# Allegro board BRD-05058-03_A1.brd (continued)
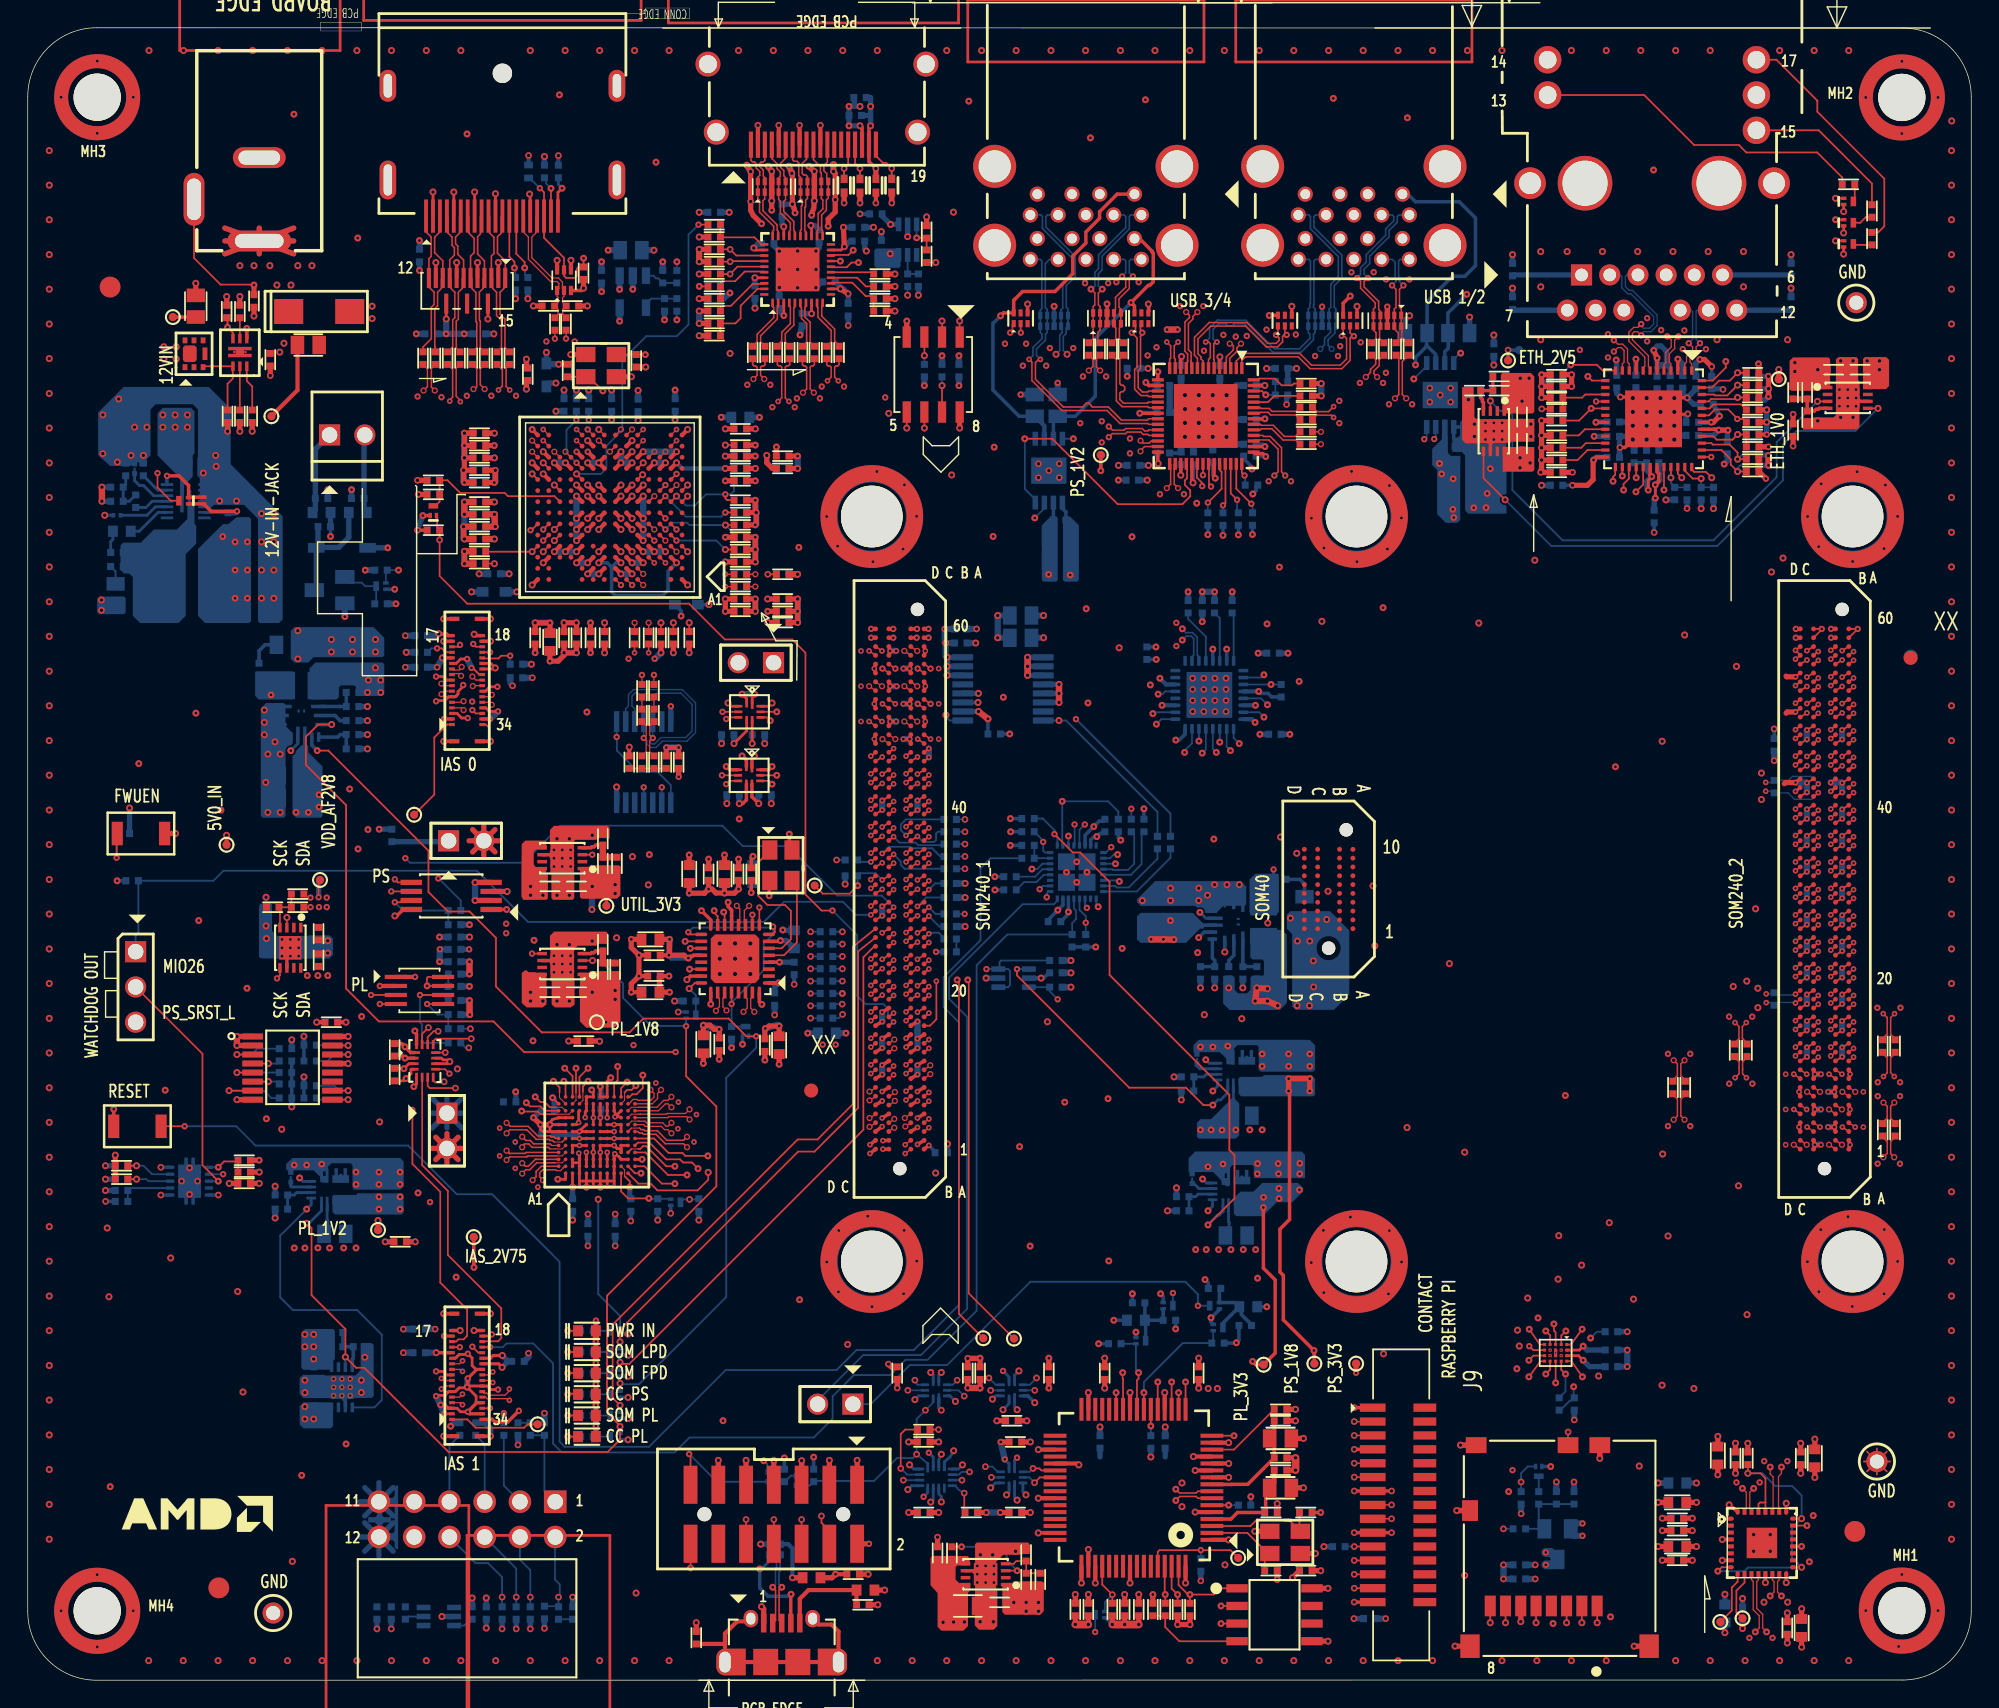
[diagram p0: board, top side]
## Routing (per net, layer and track width the routed paths; a pad name or vN(x,y) marks a point on that pad's centre or on a via; arc(x,y) is an arc through that point) (continued)
  BOTTOM w0.127: v5(85.62,66.82) 85.37,67.07 U37.4
MIO58: length 31.8
  TOP w0.127: JA1.B40 v3(63.27,62.74)
  L03_SIG w0.102: v5(89.3,70.25) 88.79,69.73 87.3,69.73 84.73,67.16 83.96,67.16 83.87,67.25 69.87,67.25 66.34,63.72 63.94,63.72 63.72,63.5 63.72,63.19 v3(63.27,62.74)
  BOTTOM w0.127: v5(89.3,70.25) 88.84,70.71 U37.29
MIO59: length 24.8
  TOP w0.127: JA1.B41 v3(63.27,63.37)
  L03_SIG w0.102: v3(63.27,63.37) 64,64.1 65.45,64.1 69.07,67.72 81.64,67.72 82.26,68.34 83.66,68.34 v5(84.37,67.63)
  BOTTOM w0.127: U37.6 v5(84.37,67.63)
MIO60: length 27.8
  TOP w0.127: JA1.B42 v3(64.09,64.58)
  L03_SIG w0.102: v3(64.09,64.58) 63.8,64.58 63.5,64.27 63.27,64.27 62.74,63.75 62.74,62.76 63.22,62.28 65.28,62.28 65.65,62.65 66.29,62.65 70.45,66.82 v5(83.34,66.82)
  BOTTOM w0.127: U37.7 83.87,67.48 83.34,66.94 v5(83.34,66.82)
MIO61: length 28
  TOP w0.127: JA1.A38 v3(64.09,61.44)
  L03_SIG w0.102: v3(64.09,61.44) 63.69,61.84 62.41,61.84 62,62.24 62,63.66 62.86,64.51 62.86,65.43 63.08,65.65 65.86,65.65 68.83,68.63 73.84,68.63 74.01,68.46 80.91,68.46 v5(81.3,68.85)
  BOTTOM w0.127: U37.9 81.66,69.21 v5(81.3,68.85)
MIO62: length 21.1
  TOP w0.127: JA1.A39 v3(64.91,62.65)
  L10_SIG w0.102: v3(64.91,62.65) 65.47,62.65 68.35,65.53 76.97,65.53 v5(81.05,69.61)
  BOTTOM w0.127: U37.10 81.15,69.71 v5(81.05,69.61)
MIO63: length 21.5
  TOP w0.127: JA1.A40 v3(64.91,63.28)
  L10_SIG w0.102: v3(64.91,63.28) 67.66,66.03 76.45,66.03 v5(81.43,71.01)
  BOTTOM w0.127: v5(81.43,71.01) 81.74,71.01 81.93,71.21 U37.13
MIO64: length 76.5
  TOP w0.127: JA1.D40 v3(60.73,62.74) ; U36.29 116.37,86.1 v5(115.85,85.58)
  L12_SIG w0.102: v3(60.73,62.74) 61.33,62.14 64.93,62.14 65.32,62.53 78.3,62.53 78.61,62.23 91.4,62.23 94.33,65.15 107.92,65.15 117.59,74.83 117.59,83.84 v5(115.85,85.58)
MIO65: length 76.4
  TOP w0.127: U36.28 v5(115.87,86.6) ; JA1.D41 v3(60.73,63.37)
  L12_SIG w0.102: v5(115.87,86.6) 115.39,86.12 115.39,84.54 116.23,83.7 116.23,75.42 107.69,66.88 105.12,66.88 105.02,66.78 105.02,66.17 104.92,66.07 104.51,66.07 104.41,66.17 104.41,66.78 104.31,66.88 103.9,66.88 103.8,66.78 103.8,66.41 103.7,66.3 103.29,66.3 103.19,66.41 103.19,66.78 103.09,66.88 95.18,66.88 91.59,63.29 78.41,63.29 78,62.89 65.93,62.89 65.07,63.74 61.1,63.74 v3(60.73,63.37)
MIO66: length 76.6
  TOP w0.127: v5(114.96,85.71) 114.96,86.15 115.34,86.53 115.34,87.34 U36.27 ; JA1.D42 v3(61.55,64.58)
  L12_SIG w0.102: v3(61.55,64.58) 61.57,64.58 62.15,63.99 65.46,63.99 65.68,63.77 91.15,63.77 95.54,68.16 106.93,68.16 112.52,73.75 112.52,73.89 111.51,74.9 111.51,75.04 111.8,75.33 111.94,75.33 112.85,74.42 112.99,74.42 113.28,74.71 113.28,74.85 112.37,75.76 112.37,75.9 112.66,76.19 112.8,76.19 113.81,75.18 113.95,75.18 114.96,76.19 v5(114.96,85.71)
MIO67: length 76.3
  TOP w0.127: JA1.C42 v3(62.37,64.55) ; U36.26 v5(114.87,86.72)
  L12_SIG w0.102: v5(114.87,86.72) 114.87,86.42 114.32,85.88 114.32,79.83 108.74,74.25 108.74,74.11 109.83,73.02 109.83,72.87 109.54,72.59 109.4,72.59 108.31,73.68 108.16,73.68 107.88,73.39 107.88,73.24 108.97,72.15 108.97,72.01 108.68,71.72 108.54,71.72 107.45,72.81 107.3,72.81 107.06,72.57 107.06,72.42 108.09,71.39 108.09,71.24 107.81,70.96 107.66,70.96 106.67,71.95 106.44,71.95 104.06,69.57 95.92,69.57 90.83,64.48 65.37,64.48 65.07,64.18 62.74,64.18 v3(62.37,64.55)
MIO68: length 78.2
  TOP w0.127: U36.25 114.35,87.35 114.35,86.81 114.2,86.65 v5(114.2,86.34) ; JA1.C43 v3(62.37,65.19)
  L05_SIG w0.102: v3(62.37,65.19) 62.81,64.75 62.81,64.54 63.14,64.21 64.25,64.21 64.51,64.47 64.51,65.31 64.76,65.56 65.07,65.56 65.33,65.29 103.96,65.29 106.15,67.48 106.15,67.63 104.84,68.94 104.84,69.09 105.12,69.37 105.27,69.37 106.59,68.06 106.73,68.06 107.02,68.34 107.02,68.49 105.6,69.9 105.6,70.05 105.89,70.33 106.03,70.33 107.45,68.92 107.59,68.92 114.2,75.53 v5(114.2,86.34)
MIO69: length 76.4
  TOP w0.127: U36.37 v1(121.27,88.09) ; JA1.C44 v3(61.55,65.25)
  L12_SIG w0.102: v1(121.27,88.09) 121.01,88.35 112.59,88.35 111.83,87.59 111.83,85.06 111.2,84.43 110.07,84.43 109.35,83.71 109.35,83.3 110.01,82.64 110.01,82.49 109.72,82.21 109.58,82.21 108.92,82.87 108.77,82.87 108.48,82.58 108.48,82.44 109.15,81.78 109.15,81.63 108.86,81.35 108.72,81.35 108.05,82.01 107.91,82.01 99.55,73.65 95.82,73.65 88.48,66.31 66.48,66.31 66.28,66.11 65.45,66.11 65.2,65.86 62.16,65.86 v3(61.55,65.25)
MIO70: length 70.7
  TOP w0.127: U36.32 v5(117.87,85.72) ; JA1.B44 v3(63.27,65.28)
  L05_SIG w0.102: v3(63.27,65.28) 63.81,65.81 98.99,65.81 111.91,78.74 111.91,82.26 113.51,83.86 113.51,86.47 114.43,87.39 117.24,87.39 117.87,86.77 v5(117.87,85.72)
MIO71: length 70.5
  TOP w0.127: v6(118.37,86.6) U36.33 ; JA1.B45 v3(64.09,66.48)
  L05_SIG w0.102: v6(118.37,86.6) 118.37,87.28 117.5,88.15 114.25,88.15 112.73,86.63 112.73,84.22 110.13,81.62 110.13,79.26 99.19,68.32 95.13,68.32 93.11,66.31 65.35,66.31 65.1,66.05 64.52,66.05 v3(64.09,66.48)
  BOTTOM w0.127: R123.1 R111.2 118.64,85.96 118.37,86.24 v6(118.37,86.6)
MIO72: length 72.4
  TOP w0.127: JA1.B46 v3(63.27,66.55) ; v6(119.15,86.6) 118.87,86.88 U36.34
  L05_SIG w0.102: v6(119.15,86.6) 119.15,87.39 117.85,88.69 115.44,88.69 114.92,89.21 114.23,89.21 113.72,88.69 111.87,88.69 110.01,86.83 110.01,84.19 97.33,71.52 94.38,71.52 91.45,68.58 87.18,68.58 86.94,68.34 77.24,68.34 75.97,67.07 66.88,67.07 65.69,68.26 62.87,68.26 62.63,68.03 62.63,67.56 63.27,66.92 v3(63.27,66.55)
MIO73: length 72.7
  TOP w0.127: U36.35 119.37,87.1 119.93,86.53 v6(120.55,86.53) ; JA1.A42 v3(64.91,64.55)
  L05_SIG w0.102: v6(120.55,86.53) 119.96,85.95 119.96,78.59 106.03,64.66 65.02,64.66 v3(64.91,64.55)
  BOTTOM w0.127: v6(120.55,86.53) R122.1 R110.2
MIO74: length 71.1
  TOP w0.127: v6(121.31,86.6) 120.89,87.02 120.05,87.02 119.87,87.19 U36.36 ; JA1.A43 v3(64.91,65.19)
  L12_SIG w0.102: v3(64.91,65.19) 90.51,65.19 96.25,70.93 102.96,70.93 113.03,80.99 113.03,86.12 114.17,87.26 120.64,87.26 v6(121.31,86.6)
MIO75: length 76.4
  TOP w0.127: R109.2 v6(123.17,87.04) 122.68,87.53 122.68,87.92 122.01,88.59 U36.38 ; JA1.A44 v3(64.09,65.25)
  L12_SIG w0.102: v3(64.09,65.25) 64.44,65.6 89.73,65.6 96.3,72.17 101.88,72.17 112.44,82.73 112.44,86.38 113.74,87.68 120.77,87.68 121.33,87.12 123.1,87.12 v6(123.17,87.04)
  BOTTOM w0.127: R121.1 123.65,87.49 123.36,87.49 123.17,87.3 v6(123.17,87.04)
MIO76: length 69.3
  TOP w0.127: U36.16 v1(112.97,92.09) ; JA1.D44 v3(60.73,65.28)
  L05_SIG w0.102: v1(112.97,92.09) 112.97,91.83 113.04,91.76 113.04,91.41 112.8,91.17 111.81,90.18 108.74,90.18 108.54,89.98 108.08,89.98 105.87,87.78 105.87,83.26 95.65,73.04 80.54,73.04 75.11,67.61 66.82,67.61 65.84,68.59 62.52,68.59 61.18,67.25 61.18,65.73 v3(60.73,65.28)
MIO77: length 67.7
  TOP w0.127: U36.17 v5(112.63,91.59) 111.75,90.71 R103.2 ; JA1.D45 v3(61.55,66.48)
  L12_SIG w0.102: v5(112.63,91.59) 110.64,89.6 110.64,86.27 99.19,74.81 95.51,74.81 89.22,68.52 82.06,68.52 81.1,67.56 66.54,67.56 65.06,66.09 61.95,66.09 v3(61.55,66.48)
MODE0_C2M: length 1.8
  TOP w0.127: JA1.A27 v3(64.91,55.03)
  BOTTOM w0.127: v3(64.91,55.03) 64.92,55.03 65.66,54.28 R165.1
MODE1_C2M: length 20.8
  TOP w0.127: JA1.A28 v3(64.91,55.66)
  L10_SIG w0.102: v3(64.91,55.66) 67.85,55.66 68.88,56.69 68.88,58.06 70.53,59.71 71.12,59.71 74.06,62.66 79.4,62.66 v1(79.5,62.76)
  BOTTOM w0.127: v1(79.5,62.76) 79.5,62.76 79.5,62 R288.1 ; v3(64.91,55.66) 64.92,55.66 65.39,55.18 R164.1
MODE2_C2M: length 2.7
  TOP w0.127: JA1.A29 v3(64.09,55.73)
  BOTTOM w0.127: v3(64.09,55.73) 64.09,55.73 64.73,56.36 R163.1
MODE3_C2M: length 1.7
  TOP w0.127: JA1.A30 v3(64.91,56.93)
  BOTTOM w0.127: v3(64.91,56.93) 64.92,56.93 65.36,57.38 R162.1
MP5016_DVDT: length 3.3
  TOP w0.127: C206.1 16.17,93.17 15.78,93.56 U41.10
MP5016_EN: length 3.1
  TOP w0.127: U41.9 R133.2
MP5016_GATE: length 5.5
  TOP w0.127: C234.1 14.39,93.36 14.77,93.74 14.77,94.61 U41.8 12.69,94.62 Q5.3
MP5016_ILIMIT: length 1.5
  TOP w0.127: R135.1 U41.4
MP5016_MODE: length 2.4
  TOP w0.127: U41.5 14.77,96.63 14.77,97.04 v5(14.39,97.42) 14.39,98.06 C235.1
  BOTTOM w0.127: R134.1 v5(14.39,97.42)
Net_114: length 0.6
  TOP w0.127: 46.33,83.27 v1(46.73,82.87)
PC4_CON_PGND: length 10.9
  TOP w0.127: v1(47.65,16.29) 47.74,16.19 J3.13
  BOTTOM w0.127: Q12.1 54.98,14.73 54.54,14.3 R234.2 Q13.3 49.64,14.3 v1(47.65,16.29)
PL_1V2: length 51.4
  TOP w0.203: v5(40.62,42.51) 40.74,42.39 U34.F12 U34.E12 U34.E11 U34.E10 40.16,40.92 v3(40.16,40.53) ; U34.K10 v3(42.31,40.57) ; v3(42.31,40.57) 42.37,40.75 U34.J10 U34.J11 ; v3(42.31,40.57) 42.48,40.64 U34.K9 ; JA2.D42 v3(127.34,64.01) ; 41.73,35.51 41.74,35.53 41.74,35.95 ; 42.24,37.72 42.28,37.9 42.59,37.71 U34.K3 U34.L3 ; 42.24,37.72 42.24,37.73 v3(42.29,37.91) ; 42.24,37.72 U34.J3 U34.J2 U34.J1 42.24,35.95 ; 40.74,35.95 40.74,35.52 40.74,35.51 ; 40.74,35.95 40.74,36.51 U34.F1 ; 40.74,35.95 40.24,35.95 ; 40.74,35.95 41.24,35.95 ; 41.74,35.95 42.24,35.95 ; 41.74,35.95 41.24,35.95 ; 41.74,35.95 U34.H1 ; 42.24,35.95 42.24,35.51 ; 39.74,37.26 U34.D2 U34.D1 39.74,35.95 ; 39.74,37.26 39.24,37.26 ; 39.74,37.26 U34.D3 39.74,37.98 v3(39.69,37.95) ; 40.74,35.51 v5(40.24,35.51) ; 40.74,35.51 v5(41.24,35.51) 41.24,35.95 ; U34.E1 40.24,36.51 40.24,35.95 ; U34.C9 U34.B9 U34.A9 37.79,40.38 37.62,40.15 v5(37.62,40.01) ; 39.74,35.95 39.74,35.51 v5(40.24,35.51) ; 39.74,35.95 40.24,35.95 ; v5(41.24,42.76) U34.G12 U34.H12 41.74,43.14 v5(41.99,43.39) ; 39.24,37.26 U34.C2 ; 39.24,37.26 U34.C3 ; v5(37.62,40.01) U34.A8 U34.B8 ; v5(37.62,40.01) 37.62,39.53 37.64,39.51 ; JA2.B42 v3(129.88,64.01) ; v5(40.24,35.51) 40.24,35.95 ; U34.G1 41.24,36.51 41.24,35.95 ; v5(36.93,40.01) 36.93,39.65 37.13,39.51 37.64,39.51 ; J7.24 33.6,72.82 v6(33.68,72.9) 33.36,73.22 J7.23 ; 37.64,39.51 U34.A7 U34.B7 ; JA2.C44 v3(128.98,65.82) ; JA2.A44 v3(131.52,65.82)
  TOP w0.229: J8.24 33.92,22.79 v6(34.17,22.53) ; v6(34.19,23.38) 33.52,23.38 33.33,23.19 J8.23
  TOP w0.254: JA1.D1 v3(60.67,37.93) ; v5(41.24,35.51) 42.24,35.51 ; C382.1 27.03,44.95 v5(27.18,44.8) U72.2 ; JA1.D2 v3(60.67,38.57)
  TOP w0.381: C127.1 v6(38.97,46.03) ; v5(37.62,40.01) 37.61,40 36.94,40 v5(36.93,40.01) v5(36.43,40.51) ; TP19.1 v6(25.23,33.11) ; C128.1 v6(25.75,31.57)
  L03_SIG w0.254: v5(37.62,40.01) v5(36.93,40.01)
  BOTTOM w0.203: U5.12 19.84,35.92 v5(19.58,36.17)
  BOTTOM w0.254: TP19.1 v6(25.23,33.11) ; C129.1 v2(125.81,68.51)
  BOTTOM w0.381: 34.61,22.96 v6(34.19,23.38) ; 34.61,22.96 34.6,22.96 v6(34.17,22.53) ; 34.61,22.96 C133.1 ; v2(34.92,71.62) 34.75,71.79 C140.1 ; v5(36.43,40.51) 36.87,40.95 C126.1 ; C131.1 37.02,39.92 v5(36.93,40.01) ; R21.1 v6(17.82,35.58) ; v5(41.24,42.76) 41.28,42.72 C132.1 ; C125.1 v2(40.35,33.57) ; C130.1 v2(42.31,33.57)
  vias: v5(25.3,34.81) v5(25.3,33.92) v5(26.82,34.81) v5(26.82,33.92)
PL_1V2_FB: length 2.8
  BOTTOM w0.203: R26.1 R21.2 19.2,34.94 19.38,35.12 U5.10
PL_1V8: length 48.5
  TOP w0.076: 42.99,42.32 42.99,41.76 42.74,41.51 U34.K11 ; 42.99,36.3 42.99,36.76 U34.K2
  TOP w0.132: 42.99,42.32 43.18,42.51 43.49,42.51 v5(43.81,42.82) ; 42.99,36.3 43.37,35.92 v5(43.37,35.51)
  TOP w0.203: v5(27.81,42.74) 28.01,42.94 U72.5 ; U34.M3 v5(44.25,37.51) ; U34.D10 39.68,40.95 v3(39.68,40.16) 39.65,40.16 39.65,40.15 39.51,40.01 U34.C8 ; U72.3 27.46,44.4 v5(27.1,44.04) 27.07,44.06 C381.1 ; U34.C1 v5(39.24,35.51)
  TOP w0.254: v5(47.59,52) 47.72,52.13 47.87,52.13 47.95,52.21 U17.20 ; U40.25 v6(126.67,12.74) ; J7.13 v6(29.87,73.62) ; J8.13 v6(29.43,23.59) ; U40.32 v6(122.56,12.63) ; U40.16 v6(126.67,7.03) ; U40.13 v6(125.17,7.03) ; C22.1 v6(40.66,49.54)
  TOP w0.305: C63.1 v5(46.19,52.21) ; C74.1 v6(20.81,47.39)
  TOP w0.381: C194.1 v6(126.75,4.85) ; C192.1 127.72,15.5 127.72,15.5 127.72,15.19 127.72,15.19 v6(127.72,14.9) ; U18.13 v6(23.08,44.41) ; v5(47.59,52) 47.49,52 47.28,52.21 v5(46.19,52.21) 46.23,52.25 v5(46.23,53.35) C62.1 ; C189.1 v6(127.79,5.15) ; C193.1 v6(128.73,14.6) ; C190.1 v6(123.02,14.9) ; C195.1 v6(121.75,14.8) ; U18.16 v6(23.08,46.36) ; TP24.1 v1(41.65,47.39)
  BOTTOM w0.254: R62.1 R57.1 R63.1 R58.1 ; R208.1 R207.1 v5(76.93,52.8) ; TP24.1 v1(41.65,47.39) ; Q1.1 v2(46.32,33.62)
  BOTTOM w0.305: R91.1 v6(45.38,33.14)
  BOTTOM w0.381: v5(47.59,52) 46.39,52 v5(46.19,52.21) ; C196.1 v6(123.53,5.89) ; v5(43.37,35.51) 43.37,34.74 C136.1 ; C137.1 39.25,35.5 v5(39.24,35.51) ; R58.1 v6(19.02,41.29) ; C191.1 v6(122.26,6.19)
  BOTTOM w0.432: C141.1 v2(29.49,72.95) ; R258.1 v6(36.28,73.17) ; v6(29.43,23.59) 29.42,23.59 C134.1 ; R257.1 v6(27.26,74.02)
  BOTTOM w0.457: v6(42.31,49.67) v6(42.31,49.04) 42.21,48.93 41.6,48.93 ; 41.6,48.93 41.65,48.89 v1(41.65,47.39) ; 41.6,48.93 40.66,48.93 v6(40.66,49.54) v6(40.66,50.81) ; v2(29.49,72.95) v6(29.87,73.62) ; v5(46.23,53.35) v5(46.19,52.21)
PL_1V8_FB: length 3.3
  TOP w0.254: U9.4 40.56,52.33 40.63,52.4 40.79,52.4 40.92,52.52 R23.1
  TOP w0.457: R23.1 C21.2 R24.2
PL_3V3: length 27.1
  TOP w0.254: J9.15 v2(95.56,5.63) ; JA2.D59 v1(127.37,75.07) ; JA1.B13 v3(63.27,45.59) ; JA2.B60 v1(129.91,75.71) ; JA2.D60 v1(127.37,75.71) ; v5(88.24,22.96) 88.47,22.72 TP21.1 89.86,23.56 89.86,28.83 89.01,29.68 v5(89.01,34.04) ; JA2.B59 v1(129.91,75.07) ; JA1.B14 v3(63.27,46.23)
  L10_SIG w0.381: 94.57,9.63 94.56,9.62 v6(93.37,9.62)
  BOTTOM w0.203: U4.12 84.92,35.8 v5(84.63,36.09)
  BOTTOM w0.254: TP21.1 88.79,22.96 v5(88.24,22.96) ; R60.1 R65.1 ; R59.1 R64.1
  BOTTOM w0.381: R61.1 v6(19.02,46.12) ; R65.1 v6(19.89,46.37) ; R90.1 v6(48.34,33.14) ; C237.1 v6(33.03,5.92) ; C143.1 v2(95.53,4.44) ; R259.1 v6(93.37,9.62) ; R18.1 v6(82.75,35.46) ; R167.1 v6(32.01,5.92) ; R64.1 v6(19.89,43.45)
  vias: v5(89.02,34.77) v5(90.13,35.42) v5(90.14,34.68) v5(91.61,35.31)
PL_3V3_FB: length 2.8
  BOTTOM w0.203: R20.1 R18.2 84.13,34.82 84.31,35 U4.10
PMOD_3V3: length 17
  BOTTOM w0.381: 23.92,12.85 J2.11 ; J2.11 26.32,13.88 ; J2.11 26.32,11.83 ; J2.11 25.3,14.23 ; J2.11 24.28,13.88 ; J2.11 24.28,11.83 ; 24.28,9.29 J2.12 ; J2.12 26.32,9.29 ; J2.12 24.28,11.34 ; J2.12 25.3,8.94 ; J2.12 23.92,10.31 ; J2.12 26.32,11.34
PMOD_HDA11: length 68.2
  L05_SIG w0.102: v2(56.39,47.68) 55.79,47.08 55.79,46.44 56.31,45.91 56.31,41.34 54.24,39.26 54.24,32.43 53.68,31.87 53.03,31.87 52.93,31.77 52.93,31.36 53.03,31.26 53.68,31.26 53.78,31.16 53.78,30.75 53.68,30.65 53.03,30.65 52.93,30.55 52.93,30.14 53.03,30.04 53.68,30.04 53.78,29.94 53.78,29.53 53.68,29.43 53.03,29.43 52.93,29.33 52.93,28.92 53.03,28.82 53.68,28.82 53.78,28.72 53.78,28.31 53.68,28.21 53.03,28.21 52.93,28.11 52.93,27.71 53.03,27.6 53.68,27.6 53.78,27.5 53.78,27.1 53.68,26.99 53.03,26.99 52.93,26.89 52.93,26.49 53.03,26.38 53.68,26.38 53.78,26.28 53.78,25.88 53.68,25.77 53.03,25.77 52.93,25.67 52.93,25.27 53.03,25.17 53.68,25.17 53.78,25.06 53.78,24.66 53.68,24.56 53.03,24.56 52.93,24.45 52.93,24.05 53.03,23.95 53.68,23.95 53.78,23.84 53.78,23.44 53.68,23.34 53.03,23.34 52.93,23.23 52.93,22.83 53.03,22.73 53.68,22.73 53.78,22.63 53.78,21.49 53.36,21.07 53.22,21.07 52.77,21.52 52.63,21.52 52.34,21.23 52.34,21.09 52.79,20.64 52.79,20.49 52.5,20.21 52.36,20.21 51.98,20.59 51.83,20.59 51.55,20.3 51.55,20.16 51.93,19.78 51.93,19.63 45.15,12.85 J2.1
  BOTTOM w0.127: J2.1 37.22,13.63 C372.1 R274.2 ; R276.2 v2(56.39,47.68)
PMOD_HDA12: length 68.3
  L05_SIG w0.102: J2.3 36.71,14.11 44.67,14.11 50.57,20.01 50.57,21.67 50.67,21.77 51.87,21.77 51.97,21.87 51.97,22.28 51.87,22.38 50.67,22.38 50.57,22.48 50.57,22.85 50.67,22.95 52.2,22.95 52.3,23.05 52.3,23.46 52.2,23.56 50.67,23.56 50.57,23.66 50.57,24.07 50.67,24.17 52.2,24.17 52.3,24.27 52.3,24.68 52.2,24.78 50.67,24.78 50.57,24.88 50.57,25.29 50.67,25.39 52.2,25.39 52.3,25.49 52.3,25.9 52.2,26 50.67,26 50.57,26.1 50.57,26.71 51.89,28.03 51.89,32.07 53.6,33.78 53.6,39.87 55.76,42.02 55.76,45.46 55.5,45.72 55.5,48.56 v1(56.39,49.46)
  BOTTOM w0.127: J2.3 34.3,14.01 C374.1 ; R278.2 v1(56.39,49.46)
PMOD_HDA13: length 68.2
  L05_SIG w0.102: J2.5 33.63,13.57 33.63,14.31 34.93,15.61 39.32,15.61 44.7,20.99 44.84,20.99 45.21,20.63 45.35,20.63 45.64,20.91 45.64,21.06 45.27,21.42 45.27,21.57 45.56,21.86 45.7,21.86 46.07,21.49 46.21,21.49 46.5,21.78 46.5,21.92 46.13,22.29 46.13,22.43 47.14,23.44 47.14,26.42 47.24,26.52 48.56,26.52 48.66,26.62 48.66,27.03 48.56,27.13 47.24,27.13 47.14,27.23 47.14,27.64 47.24,27.74 48.56,27.74 48.66,27.84 48.66,28.25 48.56,28.35 47.24,28.35 47.14,28.45 47.14,28.86 47.24,28.96 48.56,28.96 48.66,29.06 48.66,29.47 48.56,29.57 47.24,29.57 47.14,29.67 47.14,30.5 51.57,34.93 51.57,42.47 54.52,45.42 54.52,50.25 v2(56.39,52.12)
  BOTTOM w0.127: J2.5 32.92,16.99 C377.1 ; R280.2 v2(56.39,52.12)
PMOD_HDA14: length 68.2
  L05_SIG w0.102: v2(56.39,53.01) 54.48,51.1 53.91,51.1 53.34,50.53 53.34,47.62 53.62,47.34 53.62,46.17 50.78,43.34 50.78,35.31 49.01,33.54 49.01,33.12 46.56,30.67 46.56,24.63 45.65,23.73 45.51,23.73 45.34,23.9 45.2,23.9 44.91,23.61 44.91,23.46 45.08,23.3 45.08,23.15 43.66,21.74 43.66,21.71 43.42,21.47 43.4,21.47 39.32,17.39 39.32,17.37 39.07,17.12 39.05,17.12 37.94,16.02 33.2,16.02 33.1,15.91 33.1,14.8 32.99,14.7 32.59,14.7 32.49,14.8 32.49,15.91 32.39,16.02 31.98,16.02 31.88,15.91 31.88,14.23 31.78,14.13 31.38,14.13 31.27,14.24 31.27,15.91 31.17,16.02 30.58,16.02 30.38,15.81 J2.7
  BOTTOM w0.127: C379.1 30.38,16.89 J2.7 ; R282.2 v2(56.39,53.01)
PMOD_HDA15: length 68.2
  L05_SIG w0.102: v2(56.39,48.57) 56.89,48.07 56.89,47.14 56.77,47.02 56.77,45.02 57.1,44.69 57.1,40.75 54.87,38.52 54.87,24.52 54.97,24.42 55.71,24.42 55.81,24.32 55.81,23.91 55.71,23.81 54.21,23.81 54.11,23.71 54.11,23.3 54.21,23.2 55.62,23.2 55.73,23.1 55.73,22.69 55.62,22.59 54.97,22.59 54.87,22.49 54.87,21.59 52.58,19.3 52.58,19.15 54.05,17.68 54.05,17.47 53.84,17.25 53.62,17.25 52.15,18.72 52.01,18.72 51.53,18.24 51.53,18.1 52.32,17.3 52.32,17.16 52.04,16.87 51.89,16.87 51.1,17.67 50.95,17.67 43.6,10.31 J2.2
  BOTTOM w0.127: J2.2 37.98,10.3 37.98,7.24 38.32,6.9 38.32,6.07 v2(38.23,5.98) R275.2 38.2,5.33 C373.1 ; R277.2 v2(56.39,48.57)
PMOD_HDA16_CC: length 68.2
  L05_SIG w0.102: v2(56.39,50.35) 56.39,50.18 55.23,49.02 55.23,45.47 55.5,45.2 55.5,42.96 53.09,40.56 53.09,34.31 49.98,31.2 49.98,30.25 50.08,30.15 51.03,30.15 51.13,30.05 51.13,29.65 51.03,29.54 50.08,29.54 49.98,29.44 49.98,29.04 50.08,28.93 51.03,28.93 51.13,28.83 51.13,28.43 51.03,28.32 50.08,28.32 49.98,28.22 49.98,21.07 48.81,19.89 48.66,19.89 48.32,20.24 48.18,20.24 47.89,19.95 47.89,19.81 48.23,19.46 48.23,19.32 47.94,19.03 47.8,19.03 47.46,19.37 47.31,19.37 47.03,19.09 47.03,18.94 47.37,18.6 47.37,18.46 47.08,18.17 46.94,18.17 46.6,18.51 46.45,18.51 46.16,18.23 46.16,18.08 46.51,17.74 46.51,17.6 43.53,14.62 35.41,14.62 34.29,13.5 34.29,11.48 J2.4
  BOTTOM w0.127: R279.2 v2(56.39,50.35) ; J2.4 35.46,8.67 36.2,7.93 v2(36.2,5.98) C375.1
PMOD_HDA17: length 68.1
  L05_SIG w0.102: v2(56.39,51.23) 55.66,50.5 55.66,49.97 54.87,49.18 54.87,44.38 52.42,41.93 52.42,34.66 49.33,31.56 49.33,25.97 49.22,25.87 48.46,25.87 48.36,25.77 48.36,25.36 48.46,25.26 49.22,25.26 49.33,25.16 49.33,24.75 49.22,24.65 48.46,24.65 48.36,24.55 48.36,24.14 48.46,24.04 49.22,24.04 49.33,23.94 49.33,23.53 49.22,23.43 48.46,23.43 48.36,23.33 48.36,22.92 48.46,22.82 49.22,22.82 49.33,22.72 49.33,22.19 48.49,21.36 48.35,21.36 47.84,21.86 47.7,21.86 47.41,21.57 47.41,21.43 47.92,20.93 47.92,20.78 42.39,15.25 35.29,15.25 34.03,14 34.03,11.43 J2.6
  BOTTOM w0.127: C378.1 v2(35.19,5.98) 35.19,8.04 J2.6 ; R281.2 v2(56.39,51.23)
PMOD_HDA18: length 68.3
  L05_SIG w0.102: J2.8 28.83,11.86 28.83,15 30.26,16.44 35.82,16.44 36.33,16.94 36.33,17.45 39.05,20.17 39.07,20.17 39.32,20.42 39.32,20.44 42.83,23.95 42.84,23.95 43.08,24.19 43.32,24.19 43.42,24.3 43.42,24.52 44.31,25.41 44.45,25.41 44.55,25.31 44.77,25.31 44.98,25.52 44.98,25.74 44.87,25.85 44.87,25.99 45.95,27.07 45.95,31.57 48.02,33.64 48.2,33.64 49.92,35.37 49.92,43.49 51.12,44.69 51.12,45.6 51.09,45.63 51.09,48.67 52.73,50.31 52.73,51.61 53.74,52.62 55.12,52.62 v2(56.39,53.9)
  BOTTOM w0.127: C380.1 v2(34.17,5.98) 34.17,7.42 33.15,8.44 32.25,8.44 J2.8 ; R283.2 v2(56.39,53.9)
PMOD_PWR_EN: length 1.5
  BOTTOM w0.127: R167.2 31.9,4.39 31.45,3.94 U42.3
PMOD_PWR_FLT_B: length 1.4
  BOTTOM w0.132: R166.2 27.4,4.59 U42.5
PMU_RESET_OUT_B: length 48.4
  BOTTOM w0.127: U19.16 74.16,56.13 73.91,55.88 71.65,55.88 66.37,50.59 66.37,49.07 67.66,47.77 67.66,26.74 64.34,23.41 60.17,23.41 56.9,20.14 J21.2
PS_1V2: length 43.5
  TOP w0.254: v6(81.43,87.61) 81.41,87.63 U43.28 ; U43.15 v5(81.41,94.23) ; U43.12 83.06,95.28 83.08,95.3 83.08,95.33 v6(83.11,95.33) ; U43.49 v5(89.12,90.84) ; U43.5 85.86,95.28 v6(85.88,95.3) ; TP9.1 v5(77.3,87.1) ; U43.43 88.41,88.34 88.96,88.34 v5(89.18,88.12) ; v6(83.94,86.23) 83.94,86.25 83.86,86.33 U43.33 ; U43.21 v5(80.11,91.24)
  TOP w0.305: U27.E5 v6(44.33,82.07) ; U27.F5 v6(44.33,82.87) ; U27.G10 v6(39.53,83.67) ; U27.H5 v6(44.33,85.27) ; U27.H10 v6(39.53,85.27) ; U27.F10 v6(39.53,82.87) ; U27.E10 v6(39.53,82.07) ; U27.G5 v6(44.33,83.67)
  TOP w0.381: C215.1 v6(38.25,94.77) ; v6(53.24,88.2) 53.24,87.67 53.64,87.26 C332.1 ; C334.1 v5(33.61,86.25) 33.68,86.31 v2(33.68,87.14) C330.1 ; C216.1 v6(44.52,94.57) ; C331.1 v6(53.3,77.87) ; C240.1 v6(53.3,76.17)
  TOP w0.457: C335.1 v6(33.62,83.96) 33.66,83.09 v2(33.68,83.07) C333.1
  BOTTOM w0.254: C286.1 89.07,90.79 v5(89.12,90.84) ; C295.1 83.97,86.43 83.94,86.41 v6(83.94,86.23) ; v5(89.18,88.12) 89.15,88.15 C284.1 ; C291.1 80.16,91.3 v5(80.11,91.24) ; TP9.1 v5(77.3,87.1) ; C283.1 81.36,87.68 v6(81.43,87.61)
  BOTTOM w0.381: v6(83.11,95.33) 83.08,95.33 C289.1 ; C296.1 v6(80.64,86.42) ; C292.1 v6(80.71,94.47) ; v6(37.36,95.63) L12.2 ; C9.1 v6(24.47,69.1) ; C285.1 v6(80.73,87.49) ; R13.1 v6(24.47,71.13) ; C290.1 v6(85.88,95.3)
  BOTTOM w0.432: L10.2 v6(31.96,78.37) ; C336.1 v5(49.95,90.95)
  BOTTOM w0.457: v6(33.62,83.96) 33.62,83.71 33.66,83.09 v2(33.68,83.07) ; v2(33.68,87.14) 33.68,86.31 v5(33.61,86.25) ; v6(39.53,82.07) v6(39.53,82.87) v6(39.53,83.67) v6(39.53,85.27) ; v6(44.33,85.27) v6(44.33,83.67) v6(44.33,82.87) v6(44.33,82.07) ; L12.2 37.41,94.77 v6(38.25,94.77)
  vias: v6(24.53,72.02) v6(25.04,72.91) v6(25.42,72.02) v6(25.42,71.13)
PS_1V2_FB: length 3
  BOTTOM w0.254: R13.2 R43.1 22.5,70.12 22.5,70.12 U2.10
PS_1V2_MODE: length 3.1
  BOTTOM w0.254: U2.13 22.33,67.92 22.5,68.1 R42.1 R12.2
PS_1V2_RAMP: length 2
  BOTTOM w0.254: U2.11 22.13,69.47 22.5,69.1 C9.2
PS_1V2_SW: length 6
  L12_SIG w0.254: v5(17.52,70.96) 18.95,69.53 v5(18.95,66.94)
  BOTTOM w0.203: v5(18.95,66.94) 19.46,67.46 U2.16
PS_1V8: length 101
  TOP w0.203: v5(116.99,86.68) 116.74,86.43 v5(116.74,85.71) ; v6(53.62,70.37) 53.38,70.14 U30.10 ; v5(112.05,24.06) 111.76,23.77 U38.A2 ; U30.7 v6(52.19,67.45)
  TOP w0.254: v5(116.99,86.68) 116.87,86.8 U36.30 ; v6(47.48,50.45) 47.74,50.71 U17.23 ; v6(52.66,63.13) 52.17,63.63 U28.7 ; U36.19 v5(112.96,90.59) ; Q22.1 v5(28.46,83.87) ; v5(121.82,90.03) 121.75,90.09 121.49,90.09 121.48,90.09 121.06,90.09 121.06,90.09 U36.41 ; v5(90.83,42.43) 90.9,42.37 90.9,33.18 90.2,32.48 90.2,29.4 90.45,29.15 90.45,25.95 v5(92.66,23.74) 92.68,23.72 TP15.1 ; U28.10 53.38,65.57 v5(53.62,65.8) ; R269.1 v2(28.07,82.82)
  TOP w0.305: U16.2 v1(25.36,50) ; R104.1 v1(125.27,89.71) ; v5(46.19,50.71) C70.1
  TOP w0.381: R106.1 R107.1 R108.1 124.7,94.77 v5(124.68,94.79) ; C146.1 v6(111.21,94.01) v6(111.21,93.17) C145.1 ; R103.1 v6(109.05,90.71) v6(109.05,89.64) ; C92.1 v5(68.6,23.19) 68.6,23.18 v2(67.71,23.18) C91.1 ; C70.1 45.5,50.65 C69.1 v5(46.23,49.54) ; C50.1 v6(16.68,35.78) ; v1(125.21,86.53) R109.1 R105.1 ; v5(90.83,42.43) v5(90.83,43.32) v5(92.35,43.32) v5(92.35,42.43) ; v6(109.05,89.64) v6(109.05,88.76) ; v6(109.05,89.64) R113.1 ; v6(109.05,88.76) v6(109.05,87.87) ; v6(109.05,88.76) R114.1 ; v5(121.82,90.03) 122.46,90.03 v5(122.48,90.01) ; J3.2 v1(60.6,9.83) ; C81.1 v6(63.46,12.08) ; R125.1 v6(125.27,90.6) ; R46.1 v6(16.68,36.59) ; R115.1 v6(109.05,87.87) ; v6(109.05,87.87) 109.05,87.18 108.99,87.11 v2(108.99,86.99) C158.1 ; R102.1 v6(125.27,91.49)
  BOTTOM w0.203: v1(64.53,13.21) 64.54,13.21 64.83,13.5 U22.12 ; U25.6 65.23,21.98 v6(65.05,22.17) ; U22.2 65.23,16.06 v1(64.91,16.38) ; U22.13 63.67,14.01 v6(63.4,13.73) ; U64.6 70.69,21.84 v1(70.25,22.27) ; v5(84.86,44.68) 84.86,44.68 85.12,44.43 U3.12
  BOTTOM w0.229: U13.1 v2(9.59,34.94) ; U13.10 v2(13.73,34.94)
  BOTTOM w0.254: 116.61,86.35 116.61,85.83 v5(116.74,85.71) ; v5(92.66,23.74) 92.66,22.83 TP15.1 ; U37.8 83.37,68.12 82.95,67.71 v5(82.7,67.71) ; v5(80.41,62.75) 80.41,62.75 80.41,62 R303.1 ; R302.1 v5(69.66,57.87) ; R210.1 89.61,70.81 89.35,71.06 88.81,71.06 v5(88.67,71.21) ; v5(78.74,60.5) 78.74,60.5 78.56,60.68 78.56,61.1 R304.1 ; R45.1 v5(6.44,57.57) ; C108.1 v6(52.66,63.13) ; C156.1 C147.1 116.61,87.06 v5(116.99,86.68) ; C276.1 v5(81.27,74.41) ; C114.1 v6(52.19,67.45) ; R306.1 v5(69.67,56.91)
  BOTTOM w0.305: U37.11 v5(81.71,70.21) ; U37.30 v5(88.44,70.21) ; v5(81.56,72.15) 82,71.71 U37.14 ; U37.32 88.18,69.21 v5(88.42,68.98) ; U37.28 v5(88.67,71.21)
  BOTTOM w0.381: C157.1 122.43,89.97 v5(122.48,90.01) 121.83,90.01 v5(121.82,90.03) 121.44,89.64 C159.1 ; C277.1 v5(90.79,73.96) ; v1(125.27,89.71) v6(125.27,90.6) v6(125.27,91.49) ; 116.66,86.35 116.61,86.35 ; 116.66,86.35 v5(116.99,86.68) ; 116.66,86.35 116.66,85.79 ; v2(28.07,82.82) v5(28.46,83.87) ; C175.1 112.33,23.78 v5(112.05,24.06) ; C329.1 v1(31.8,52.63) ; R110.1 v6(121.44,84.37) ; R48.1 v6(5.6,35.27) ; R111.1 v6(118.01,85) ; R47.1 v6(5.6,36.08) ; v5(112.96,90.59) 112.98,90.61 C144.1 ; C275.1 v5(90.91,68.12) ; R14.1 v6(82.57,43.45) ; R49.1 v6(5.6,37.05) ; R130.1 v2(115.22,25.1)
